# Altium PCB МПСУ.687254.22-01.PcbDoc (part 2 of 2)
Units mm, origin at the board's own origin, x right, y up, seen from the top; angles counter-clockwise.
Board outline 131 x 56 mm, 2 copper layers (Top Layer, Bottom Layer), stack 1.036 mm thick; 215 components, 148 nets, 684 pads, 399 vias.
Unrouted connection lines stored in the file: 4.
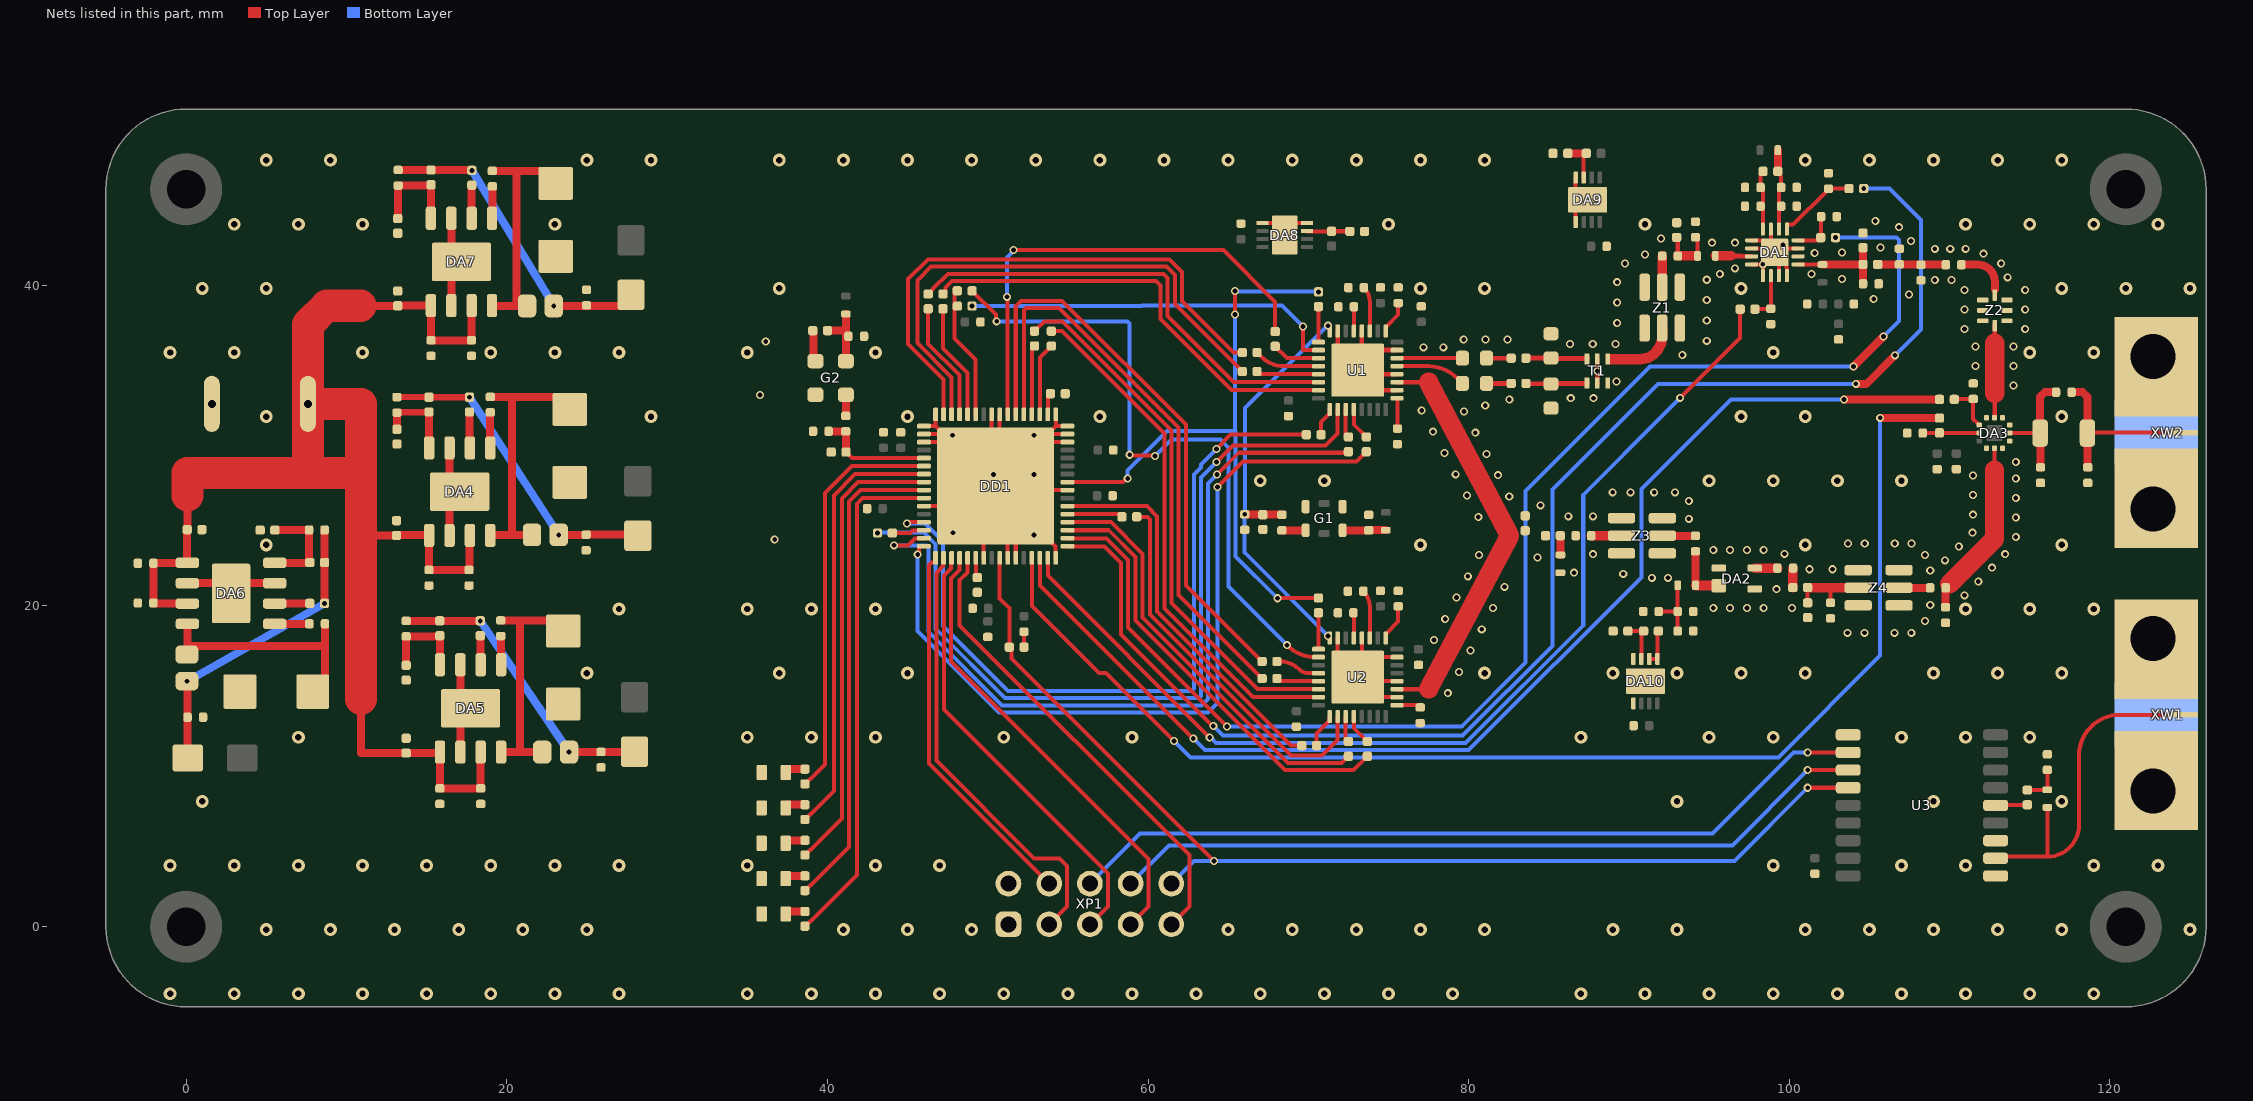
[diagram p2: the nets of this part, all layers, seen from the top]

## Via types
v1: diameter 0.5, hole 0.3, Top Layer to Bottom Layer, tented both sides, 212 vias
v2: diameter 0.8, hole 0.4, Top Layer to Bottom Layer, tented both sides, 169 vias
v3: diameter 0.6, hole 0.3, Top Layer to Bottom Layer, tented both sides, 18 vias

## Nets (pads, with @x,y where several pads share a name; then routed paths per layer and width w, separated by ;. In a path a pad name is that pad's centre, name@x,y a point inside that pad or via, vN(x,y) a via of type N, cw(c..) or ccw(c..) an arc to the next point about the centre after c; other vN are vias at no path point) (continued)
+5V_RFIN: C51.1 C53.1 C55.1 DA10.1 DA10.2 L6.1 R70.1 | length 6.3
  Top Layer w0.25: DA10.2@91.275,16.697 DA10.1@91.775,16.697 91.775,18.437 R70.1@91.835,18.437 ; C53.1@91.86,19.662 C51.1@93.04,19.662 ; C55.1@93.04,18.437 C51.1@93.04,19.662 ; L6.1@93.045,21.287 93.042,21.285 93.042,19.665 C51.1@93.04,19.662
BPF_IN_2: C50.1 Z3.5 | length 2.1
  Top Layer w0.25: Z3.5@92.085,24.384 Z3.5@92.088,24.381 ; C50.1@94.146,24.381 C50.1@94.15,24.377
  Top Layer w0.5: Z3.5@92.088,24.381 C50.1@94.146,24.381
CLK_HS: C48.2 C49.1 DD1.53 R36.1 | length 7.4
  Top Layer w0.25: R36.1@41.16,29.6 41.171,29.6 41.546,29.225 DD1.53@46.025,29.225
  Top Layer w0.5: C49.1@40.075,30.9 40.08,30.895 41.145,30.895 C48.2@41.15,30.89 41.155,30.885 41.155,29.605 R36.1@41.16,29.6
CLKO_A: R40.2 U1.10 | length 23.7
  Top Layer w0.25: v1(69.66,37.442) 69.66,35.959 U1.10@70.635,35.959
  Bottom Layer w0.25: v1(49.026,38.709) 59.587,38.709 59.633,38.756 68.346,38.756 v1(69.66,37.442)
CLKO_B: R41.2 U2.10 | length 41.9
  Top Layer w0.25: R41.2@49.026,39.659 49.03,39.659 50.512,38.178 50.512,37.807 v1(50.56,37.759) ; v1(58.86,29.434) 58.9,29.394 60.4,29.394 v1(60.441,29.353) ; v1(68.666,17.553) ccw(c70.462,19.349) 70.462,16.809 U2.10@70.635,16.809
  Bottom Layer w0.25: v1(50.56,37.759) 58.713,37.759 58.86,37.613 v1(58.86,29.434) ; v1(60.441,29.353) 61.46,30.371 64.51,30.371 65.01,29.872 65.01,21.209 v1(68.666,17.553)
G0: DD1.58 R25.1 | length 32
  Top Layer w0.25: R25.1@38.6,0.027 38.611,0.027 38.916,0.332 38.94,0.332 41.841,3.234 41.841,26.377 42.189,26.725 DD1.58@46.025,26.725
G1: DD1.57 R26.1 | length 30.4
  Top Layer w0.25: R26.1@38.6,2.246 38.611,2.246 38.916,2.551 38.94,2.551 41.35,4.961 41.35,26.522 42.052,27.225 DD1.57@46.025,27.225
G2: DD1.56 R27.1 | length 28.8
  Top Layer w0.25: R27.1@38.6,4.465 38.611,4.465 38.916,4.77 38.94,4.77 40.9,6.73 40.9,26.709 41.916,27.725 DD1.56@46.025,27.725
G3: DD1.55 R29.1 | length 27.1
  Top Layer w0.25: R29.1@38.6,6.684 38.611,6.684 38.916,6.989 38.94,6.989 40.4,8.449 40.4,26.887 41.738,28.225 DD1.55@46.025,28.225
G4: DD1.54 R30.1 | length 25.5
  Top Layer w0.25: R30.1@38.6,8.902 38.611,8.902 38.916,9.207 38.94,9.207 39.85,10.118 39.85,27.037 41.538,28.725 DD1.54@46.025,28.725
GND: C1.1 C2.1 C3.2 C4.2 C5.2 C6.1 C7.2 C8.1 C9.2 C10.2 C11.2 C12.2 C13.1 C14.1 C15.2 C17.2 C20.1 C21.2 C22.1 C23.1 C24.1 C26.2 C27.1 C28.1 C29.1 C30.1 C31.2 C32.2 C33.2 C34.2 C35.2 C36.2 C38.2 C39.2 C40.2 C41.2 C42.2 C43.2 C44.2 C45.2 C46.2 C47.2 C49.2 C51.2 C53.2 C55.2 C56.1 C58.2 C59.2 C60.1 C61.1 C62.1 C63.1 C64.2 C65.1 C67.1 C68.2 C69.2 C70.2 C71.2 C72.2 C73.2 C74.2 C75.2 C84.2 C85.2 C86.2 C87.2 C88.2 C89.2 C90.2 DA1.1 DA1.2 DA1.4 DA1.5 DA1.7 DA1.8 DA1.11 DA1.15 DA1.17 DA2.2 DA2.4 DA3.1 DA3.3 DA3.4 DA3.6 DA3.10 DA3.12 DA4.3 DA4.6 DA4.9 DA5.3 DA5.6 DA5.9 DA6.3 DA6.6 DA6.9 DA7.3 DA7.6 DA7.9 DA8.4 DA8.5 DA8.9 DA9.4 DA9.5 DA9.9 DA10.4 DA10.5 DA10.9 DD1.7 DD1.10 DD1.11 DD1.16 DD1.24 DD1.30 DD1.31 DD1.32 DD1.33 DD1.40 DD1.41 DD1.48 DD1.49 DD1.50 DD1.51 DD1.59 DD1.65 G1.1 G1.3 G2.2 L7.2 R1.2 R20.2 R22.2 R24.1 R28.1 R31.1 R36.2 R42.2 R45.2 R50.2 R51.2 R52.2 R53.2 R58.2 R59.2 R60.2 R61.2 R67.2 R69.2 R71.2 T1.2 T1.5 T1.6 U1.4 U1.7 U1.26 U1.28 U1.31 U1.33 U2.4 U2.7 U2.26 U2.28 U2.31 U2.33 U3.1 U3.10 U3.12 VD1.2 VD2.2 VD3.2 VD4.2 VD5.2 VD6.2 VD7.2 VD8.2 VD9.2 XP1.1 XP1.2 XP2.2 XW1.2 XW2.2 Z1.1 Z1.3 Z1.4 Z1.6 Z2.1 Z2.2 Z2.3 Z2.5 Z2.6 Z2.7 Z3.1 Z3.3 Z3.4 Z3.6 Z4.1 Z4.3 Z4.4 Z4.6 | length 133.3
  Top Layer w0.25: DD1.59@46.025,26.225 49.25,26.225 DD1.65@49.75,26.725 ; DD1.51@46.025,30.225 DD1.65@47.75,30.225 ; DD1.50@46.025,30.725 DD1.65@47.25,30.725 ; DD1.49@46.025,31.225 46.75,31.225 ; DD1.48@46.75,31.95 46.75,31.225 ; DD1.7@49.75,23 DD1.65@49.75,26.725 ; DD1.41@50.25,31.95 DD1.65@50.25,27.725 ; DD1.40@50.75,31.95 50.75,27.725 DD1.65@50.5,27.475 ; DD1.10@51.25,23 DD1.65@51.25,26.725 ; DD1.11@51.75,23 DD1.65@51.75,26.194 ; R24.1@52.265,17.433 C39.2@52.265,18.397 ; DD1.16@54.25,23 54.225,23.025 54.225,23.719 DD1.65@51.75,26.194 ; DD1.33@54.25,31.95 54.25,31.225 ; DD1.24@54.975,27.225 DD1.65@50.75,27.225 ; DD1.30@54.975,30.225 DD1.65@53.25,30.225 ; DD1.31@54.975,30.725 DD1.65@53.75,30.725 ; DD1.32@54.975,31.225 54.25,31.225 ; C88.2@65.8,43.89 C88.2@65.8,43.9 ; DA8.5@67.14,43.89 DA8.9@68.525,43.89 ; DA8.9@68.525,43.14 DA8.9@68.525,43.89 ; DA8.4@69.91,43.89 DA8.9@68.525,43.89 ; U2.7@71.835,18.009 71.835,15.559 U2.33@73.085,15.559 ; U2.4@73.335,18.009 U2.33@73.335,16.809 ; U2.26@75.535,14.309 73.085,14.309 U2.33@73.085,15.309 ; U2.28@75.535,15.309 U2.33@73.085,15.309 ; U2.31@75.535,16.809 U2.33@73.335,16.809 ; DA9.5@86.665,43.952 DA9.5@86.675,43.952 DA9.9@86.675,45.337 ; DA9.4@86.675,46.722 DA9.9@86.675,45.337 ; DA9.9@87.425,45.337 DA9.9@86.675,45.337 ; T1.5@88.028,33.912 T1.2@88.028,35.412 ; DA1.4@97.65,41.312 v1(98.35,41.312) ; DA1.2@97.65,42.312 DA1.17@98.85,42.312 ; DA1.1@97.65,42.812 98.102,42.812 98.127,42.787 98.375,42.787 DA1.17@98.85,42.312 ; DA1.5@98.35,40.612 v1(98.35,41.312) ; DA1.15@98.85,43.512 DA1.17@98.85,42.312 ; DA1.7@99.35,40.612 DA1.17@99.35,41.812 ; DA1.8@99.85,40.612 99.85,41.064 99.825,41.089 99.825,41.337 DA1.17@99.35,41.812 ; DA1.11@100.55,42.312 99.35,42.312 DA1.17@99.1,42.062 ; 46.75,31.225 DD1.65@47.25,30.725 ; DD1.65@47.25,30.725 DD1.65@47.75,30.225 ; DD1.65@47.75,30.225 DD1.65@50.25,27.725 ; DD1.65@49.75,26.725 DD1.65@50.5,27.475 ; DD1.65@50.25,27.725 DD1.65@50.5,27.475 ; DD1.65@50.5,27.475 DD1.65@50.75,27.225 ; DD1.65@50.5,27.475 DD1.65@53.25,30.225 ; DD1.65@50.75,27.225 DD1.65@51.25,26.725 ; DD1.65@51.25,26.725 51.75,26.225 DD1.65@51.75,26.194 ; DD1.65@53.25,30.225 DD1.65@53.75,30.725 ; DD1.65@53.75,30.725 54.25,31.225 ; U2.33@73.085,15.309 U2.33@73.085,15.559 ; U2.33@73.085,15.559 73.335,15.559 U2.33@73.335,16.809 ; U2.33@73.085,15.559 73.085,16.809 U2.33@73.335,16.809 ; v1(98.35,41.312) DA1.17@99.1,42.062 ; DA1.17@98.85,42.312 DA1.17@99.1,42.062 ; DA1.17@99.1,42.062 DA1.17@99.35,41.812
  Top Layer w0.3: U1.7@71.835,37.159 71.835,35.209 U1.33@73.085,33.959 ; U1.33@71.859,35.935 U1.33@73.085,34.709 ; U1.4@73.335,37.159 U1.33@73.335,35.959 ; U1.26@75.535,33.459 73.085,33.459 U1.33@73.085,34.459 ; U1.28@75.535,34.459 U1.33@73.085,34.459 ; U1.31@75.535,35.959 U1.33@73.335,35.959 ; U1.33@73.085,34.459 U1.33@73.085,34.709 ; U1.33@73.085,34.709 73.085,35.959 U1.33@73.335,35.959 ; U1.33@73.085,34.709 73.335,34.709 U1.33@73.335,35.959
  Top Layer w0.5: DA6.6@0.075,21.422 DA6.9@2.8,21.422 ; DA6.9@2.8,20.787 DA6.9@2.8,21.422 ; DA6.3@5.525,21.422 DA6.9@2.8,21.422 ; R58.2@13.125,30.102 R58.2@13.15,30.102 ; DA4.6@16.431,24.404 16.431,26.494 DA4.9@17.066,27.129 16.431,27.764 DA4.3@16.431,29.854 ; DA7.6@16.54,38.737 DA7.9@16.54,41.462 ; DA7.3@16.54,44.187 DA7.9@16.54,41.462 ; DA5.6@17.105,10.887 DA5.9@17.105,13.612 ; DA5.3@17.105,16.337 DA5.9@17.105,13.612 ; DA7.9@17.175,41.462 DA7.9@16.54,41.462 ; DA5.9@17.74,13.612 DA5.9@17.105,13.612
  other v1: 78.701,14.561 79.407,15.889 80.113,17.216 77.832,17.87 103.643,18.329 104.692,18.329 106.564,18.329 107.613,18.329 80.819,18.544 108.469,19.066 78.538,19.198 81.525,19.872 95.261,19.879 96.31,19.879 97.36,19.879 98.409,19.879 100.163,19.879 108.795,20.054 79.244,20.525 110.933,20.666 99.198,21.047 82.231,21.199 111.795,21.528 91.425,21.758 92.441,21.758 79.95,21.853 89.645,22.009 86.575,22.076 108.795,22.215 101.255,22.292 102.703,22.292 112.657,22.39 109.713,22.85 84.301,23.019 80.656,23.181 108.469,23.181 87.768,23.231 113.473,23.231 99.706,23.257 95.261,23.494 96.31,23.494 97.36,23.494 98.409,23.494 110.576,23.713 103.66,23.892 104.71,23.892 106.581,23.892 107.631,23.892 36.714,24.146 114.133,24.298 111.438,24.575 93.737,25.441 114.133,25.517 80.604,25.559 86.218,25.594 87.768,25.594 111.466,25.695 84.49,26.281 93.737,26.559 114.133,26.737 82.534,26.829 79.898,26.887 111.466,26.914 88.987,27.092 90.105,27.092 91.578,27.092 92.873,27.092 114.133,27.956 111.466,28.134 81.829,28.157 79.192,28.215 114.133,28.975 81.123,29.485 78.486,29.542 80.417,30.812 77.78,30.87 79.711,32.14 77.074,32.198 81.037,32.502 82.535,32.883 86.371,32.96 87.793,32.96 35.799,33.163 113.981,33.747 89.228,34.012 88.028,34.662 111.618,34.966 113.981,34.966 93.33,35.652 77.176,36.135 78.421,36.135 111.618,36.185 113.981,36.185 86.32,36.338 87.742,36.338 89.165,36.338 36.155,36.49 94.854,36.541 79.691,36.617 81.062,36.617 82.434,36.617 110.933,37.278 114.717,37.278 89.266,37.659 94.854,37.811 110.933,38.497 114.717,38.497 89.266,38.929 94.854,39.081 105.267,39.158 107.477,39.438 110.933,39.716 114.717,39.716 89.266,40.199 109.077,40.326 110.12,40.326 94.854,40.351 103.286,40.403 113.625,40.503 95.667,40.707 101.382,40.707 96.607,41.062 89.749,41.367 113.219,41.367 90.994,41.926 112.126,41.977 101.585,42.027 103.286,42.054 109.077,42.281 110.043,42.281 111.009,42.281 105.699,42.359 99.604,42.535 95.185,42.662 96.607,42.662 107.604,42.765 91.999,42.932 106.842,43.629 105.369,44.01
  other v2: -1,-4.188 3,-4.188 7,-4.188 11,-4.188 15,-4.188 19,-4.188 23,-4.188 27,-4.188 35,-4.188 39,-4.188 43,-4.188 47,-4.188 51,-4.188 55,-4.188 59,-4.188 63,-4.188 67,-4.188 71,-4.188 75,-4.188 79,-4.188 87,-4.188 91,-4.188 95,-4.188 99,-4.188 103,-4.188 107,-4.188 111,-4.188 115,-4.188 119,-4.188 5,-0.188 9,-0.188 13,-0.188 17,-0.188 21,-0.188 25,-0.188 41,-0.188 45,-0.188 49,-0.188 65,-0.188 69,-0.188 73,-0.188 77,-0.188 81,-0.188 89,-0.188 93,-0.188 101,-0.188 105,-0.188 109,-0.188 113,-0.188 117,-0.188 125,-0.188 -1,3.812 3,3.812 7,3.812 11,3.812 15,3.812 19,3.812 23,3.812 27,3.812 35,3.812 43,3.812 47,3.812 99,3.812 107,3.812 111,3.812 119,3.812 123,3.812 1,7.812 93,7.812 109,7.812 117,7.812 7,11.812 35,11.812 39,11.812 43,11.812 51,11.812 59,11.812 87,11.812 95,11.812 99,11.812 107,11.812 111,11.812 115,11.812 25,15.812 37,15.812 45,15.812 81,15.812 89,15.812 93,15.812 97,15.812 101,15.812 109,15.812 113,15.812 117,15.812 27,19.812 35,19.812 39,19.812 43,19.812 111,19.812 115,19.812 119,19.812 5,23.812 77,23.812 101,23.812 117,23.812 67,27.812 71,27.812 95,27.812 99,27.812 103,27.812 107,27.812 5,31.812 29,31.812 45,31.812 57,31.812 97,31.812 101,31.812 117,31.812 -1,35.812 3,35.812 11,35.812 19,35.812 23,35.812 27,35.812 35,35.812 43,35.812 99,35.812 115,35.812 119,35.812 1,39.812 5,39.812 37,39.812 77,39.812 81,39.812 97,39.812 117,39.812 121,39.812 125,39.812 3,43.812 7,43.812 11,43.812 23,43.812 75,43.812 91,43.812 111,43.812 115,43.812 119,43.812 123,43.812 5,47.812 9,47.812 25,47.812 29,47.812 37,47.812 41,47.812 45,47.812 49,47.812 53,47.812 57,47.812 61,47.812 65,47.812 69,47.812 73,47.812 77,47.812 81,47.812 101,47.812 105,47.812 109,47.812 113,47.812 117,47.812
  other v3: 52.89,24.421 47.843,24.564 50.367,28.205 52.89,28.205 47.796,30.653 52.89,30.653
GPS_NSS: DD1.9 R24.2 U3.4 XP1.10 | length 69.1
  Top Layer w0.25: DD1.9@50.75,23 50.75,20.458 51.345,19.863 R24.2@51.345,17.433 51.498,17.28 51.498,16.715 v1(64.125,4.087) ; v1(101.15,8.662) U3.4@103.675,8.662
  Bottom Layer w0.25: XP1.10@61.455,2.682 62.86,4.087 96.575,4.087 v1(101.15,8.662)
GPS_RX: U3.3 XP1.8 | length 47.7
  Top Layer w0.25: v1(101.15,9.762) U3.3@103.675,9.762
  Bottom Layer w0.25: XP1.8@58.915,2.682 61.295,5.062 96.45,5.062 v1(101.15,9.762)
GPS_TX: U3.2 XP1.6 | length 50.7
  Top Layer w0.25: v1(101.15,10.862) U3.2@103.675,10.862
  Bottom Layer w0.25: XP1.6@56.375,2.682 59.505,5.812 95.211,5.812 100.261,10.862 v1(101.15,10.862)
IRXD_A: R38.2 U1.15 | length 28
  Top Layer w0.25: R38.2@47.213,39.459 47.365,39.612 47.365,39.873 47.766,40.274 60.506,40.274 60.777,40.003 60.777,37.892 65.21,33.459 U1.15@70.635,33.459
IRXD_B: R34.1 U2.15 | length 32.5
  Top Layer w0.25: R34.1@53.969,37.141 54.634,37.141 61.016,30.76 61.016,19.839 66.546,14.309 U2.15@70.635,14.309
ITXD_A: DD1.46 R6.1 | length 33.7
  Top Layer w0.25: DD1.46@47.75,31.95 47.75,34.259 45.61,36.399 45.61,40.309 46.474,41.174 61.149,41.174 61.677,40.647 61.677,38.832 R6.1@65.885,34.624
ITXD_B: DD1.37 R10.1 | length 37.1
  Top Layer w0.25: DD1.37@52.25,31.95 52.25,38.441 52.396,38.587 54.461,38.587 61.916,31.132 61.916,20.68 R10.1@67.122,15.474
LNA_A_CTRL: DD1.14 R46.1 | length 74.4
  Top Layer w0.25: DD1.14@53.25,23 53.25,21.287 62.8,11.737 v1(62.825,11.737)
  Top Layer w0.5: v1(103.425,32.887) R46.1@109.375,32.887
  Bottom Layer w0.25: v1(62.825,11.737) 63.554,11.008 80.005,11.008 90.775,21.778 90.775,27.287 96.375,32.887 v1(103.425,32.887)
MISO_A: R37.2 U1.18 | length 52.4
  Top Layer w0.25: v1(64.271,28.983) 65.298,30.009 71.074,30.009 71.835,30.77 U1.18@71.835,32.259
  Bottom Layer w0.25: v1(43.13,24.554) 43.16,24.584 44.712,24.584 44.721,24.575 45.198,24.575 45.207,24.584 46.018,24.584 46.76,23.843 46.76,18.58 51.093,14.247 63.158,14.247 63.304,14.393 63.304,28.016 v1(64.271,28.983)
MISO_B: R33.1 U2.18 | length 24.1
  Top Layer w0.25: R33.1@59.295,25.566 59.96,25.566 60.116,25.41 60.116,19.466 68.91,10.672 70.856,10.672 71.835,11.651 U2.18@71.835,13.109
MOSI_A: DD1.63 R5.1 | length 52
  Top Layer w0.25: v1(44.16,23.784) 45.044,23.784 45.459,24.2 46,24.2 DD1.63@46.025,24.225 ; v1(64.298,28.196) 65.661,29.559 72.435,29.559 R5.1@72.5,29.624
  Bottom Layer w0.25: v1(44.16,23.784) 46.182,23.784 46.31,23.656 46.31,18.394 50.907,13.797 63.344,13.797 63.754,14.207 63.754,27.653 v1(64.298,28.196)
MOSI_B: DD1.20 R9.1 | length 26.2
  Top Layer w0.25: DD1.20@54.975,25.225 57.688,25.225 59.666,23.246 59.666,19.28 68.734,10.212 72.085,10.212 R9.1@72.5,10.627
NetC3_1: C3.1 U1.25 | length 1.9
  Top Layer w0.25: U1.25@75.535,32.959 75.56,32.934 C3.1@75.56,31.069
NetC4_1: C4.1 U2.25 | length 1.5
  Top Layer w0.25: U2.25@75.535,13.809 76.842,13.809 C4.1@76.982,13.669
NetC5_1: C5.1 U1.3 | length 2.8
  Top Layer w0.25: C5.1@73.47,39.859 cw(c72.588,38.978) 73.835,38.978 U1.3@73.835,37.159
NetC7_1: C7.1 U2.3 | length 3
  Top Layer w0.25: C7.1@73.432,20.922 cw(c72.459,19.949) 73.835,19.949 U2.3@73.835,18.009
NetC9_1: C9.1 U1.5 | length 1.5
  Top Layer w0.25: U1.5@72.835,37.159 72.84,37.164 72.84,38.654 C9.1@72.845,38.659
NetC10_1: C10.1 U2.5 | length 1.6
  Top Layer w0.25: C10.1@72.817,19.577 72.835,19.559 U2.5@72.835,18.009
NetC11_1: C11.1 U1.1 | length 2.1
  Top Layer w0.25: U1.1@74.835,37.159 74.835,37.409 75.61,38.184 C11.1@75.61,38.899
NetC12_1: C12.1 U2.1 | length 2.3
  Top Layer w0.25: U2.1@74.835,18.009 74.835,18.259 75.607,19.031 C12.1@75.607,19.977
NetC15_1: C15.1 G1.6 L1.2 | length 2.7
  Top Layer w0.5: G1.6@72.135,24.721 C15.1@73.768,24.72 73.767,24.729 L1.2@74.835,24.729 ; C15.1@73.768,24.72 C15.1@73.783,24.705
NetC16_1: C16.1 G1.4 | length 1.5
  Top Layer w0.5: C16.1@68.35,24.722 G1.4@69.835,24.722
NetC18_1: C18.1 U1.30 | length 4.1
  Top Layer w0.25: U1.30@75.535,35.459 C18.1@79.61,35.459
NetC18_2: C18.2 R15.1 | length 1.7
  Top Layer w0.3: C18.2@81.12,35.459 R15.1@82.655,35.459 R15.1@82.547,35.352
NetC19_1: C19.1 U1.29 | length 4.4
  Top Layer w0.25: U1.29@75.535,34.959 77.482,34.959 cw(c77.482,32.419) 79.278,34.215 C19.1@79.61,33.884
NetC19_2: C19.2 R16.1 | length 1.5
  Top Layer w0.3: C19.2@81.12,33.884 R16.1@82.655,33.884
NetC20_2: C20.2 R15.2 T1.3 | length 3.9
  Top Layer w0.3: R15.2@83.575,35.459 83.581,35.466 85.133,35.466 C20.2@85.14,35.472 C20.2@85.17,35.442 ; C20.2@85.14,35.412 C20.2@85.17,35.442 ; T1.3@87.378,35.412 87.378,35.442 C20.2@85.17,35.442
NetC21_1: C21.1 R16.2 T1.4 | length 3.9
  Top Layer w0.3: R16.2@83.575,33.884 83.591,33.868 85.036,33.868 85.08,33.912 C21.1@85.14,33.852 85.17,33.882 87.378,33.882 T1.4@87.378,33.912
NetC25_1: C25.1 Z1.5 | length 2
  Top Layer w0.6: Z1.5@92.075,39.887 C25.1@92.075,41.837
NetC25_2: C25.2 C26.1 L2.1 R20.1 | length 3.5
  Top Layer w0.25: R20.1@92.975,42.992 93.045,42.922 C25.2@93.045,41.837 ; C26.1@94.15,43.002 94.278,42.875 L2.1@94.278,41.84
  Top Layer w0.6: C25.2@93.045,41.838 L2.1@94.188,41.838
NetC31_1: C31.1 DA1.9 DA1.10 L4.2 R22.1 R23.1 | length 6.3
  Top Layer w0.25: DA1.9@100.55,41.312 102.06,41.312 L4.2@102.075,41.297 L4.2@102.08,41.292
  Top Layer w0.5: L4.2@102.075,41.297 102.08,41.302 104.594,41.302 R23.1@104.598,41.307 ; R22.1@104.598,42.347 R23.1@104.598,41.307 ; C31.1@104.604,40.098 104.601,40.101 104.601,41.304 R23.1@104.598,41.307
NetC33_1: C33.1 C34.1 C37.1 R23.2 | length 4.3
  Top Layer w0.5: R23.2@105.518,41.307 109.75,41.307 109.765,41.292 C37.1@109.765,41.287
NetC37_2: C37.2 Z2.8 | length 3.2
  Top Layer w0.5: C37.2@110.735,41.287 111.781,41.287 cw(c111.781,40.243) 112.825,40.243 112.825,39.737
NetC46_1: C46.1 G2.4 L5.2 R32.1 | length 4.2
  Top Layer w0.5: R32.1@40.01,37.175 41.165,37.175 41.158,37.182 ; G2.4@41.15,35.275 41.158,35.282 C46.1@41.158,36.825 ; L5.2@41.15,38.22 41.158,38.212 41.158,37.182 ; C46.1@41.315,36.825 41.315,36.85 41.158,37.007 41.158,37.182
NetC48_1: C48.1 G2.3 | length 1.3
  Top Layer w0.5: C48.1@41.15,31.86 G2.3@41.15,33.175
NetC50_2: C50.2 DA2.1 L6.2 | length 3.6
  Top Layer w0.25: C50.2@94.15,23.407 C50.2@94.152,23.405 ; L6.2@94.152,21.29 L6.2@94.155,21.287 L6.2@94.167,21.275 ; DA2.1@95.592,21.275 DA2.1@95.605,21.262
  Top Layer w0.5: L6.2@94.152,21.29 C50.2@94.152,23.405
  Top Layer w0.6: L6.2@94.167,21.275 DA2.1@95.592,21.275
NetC52_1: C52.1 L7.1 R43.1 | length 1.2
  Top Layer w0.5: R43.1@85.72,24.384 85.722,24.382 85.722,23.189 L7.1@85.725,23.186
NetC52_2: C52.2 Z3.2 | length 1.9
  Top Layer w0.6: C52.2@87.645,24.384 Z3.2@89.535,24.384
NetC54_1: C54.1 DA2.3 | length 1.4
  Top Layer w0.6: DA2.3@97.845,22.362 C54.1@99.265,22.362
NetC54_2: C54.2 R44.2 | length 1.2
  Top Layer w0.25: R44.2@100.225,21.147 R44.2@100.23,21.152 ; C54.2@100.23,22.357 C54.2@100.235,22.362
  Top Layer w0.6: R44.2@100.23,21.152 C54.2@100.23,22.357
NetC56_2: C56.2 R44.1 R45.1 Z4.2 | length 5.1
  Top Layer w0.25: R44.1@101.145,21.147 R44.1@101.147,21.145 ; R45.1@101.15,20.197 101.147,20.2 R44.1@101.147,21.145 ; R44.1@101.15,21.142 R44.1@101.147,21.145 ; 102.521,21.142 102.575,21.088 C56.2@102.575,20.197 ; Z4.2@104.295,21.142 Z4.2@104.3,21.137
  Top Layer w0.6: R44.1@101.15,21.142 102.521,21.142 Z4.2@104.295,21.142
NetC57_1: C57.1 Z4.5 | length 1.9
  Top Layer w0.5: Z4.5@106.85,21.137 C57.1@108.785,21.137
NetC59_1: C59.1 L8.1 R48.1 | length 2.5
  Top Layer w0.25: R48.1@114.85,8.522 114.86,8.532 116.09,8.532 L8.1@116.1,8.542 C59.1@116.1,9.777
NetC65_2: C65.2 C66.2 DA3.2 R49.1 | length 7.4
  Top Layer w0.25: DA3.2@113.75,30.787 R49.1@115.65,30.787
  Top Layer w0.5: C65.2@115.675,28.647 115.662,28.66 115.662,30.775 R49.1@115.65,30.787 115.65,33.045 115.943,33.337 C66.2@116.64,33.337
NetC66_1: C66.1 C67.2 R49.2 XW2.1 | length 11.4
  Top Layer w0.25: R49.2@118.625,30.812 XW2.1@124.498,30.812
  Top Layer w0.5: C66.1@117.61,33.337 118.307,33.337 118.6,33.045 R49.2@118.6,30.787 ; R49.2@118.613,30.775 118.613,28.66 C67.2@118.625,28.647